# Allegro board 1281021_HW-FMC-XM500_Rev1_0.brd (continued)
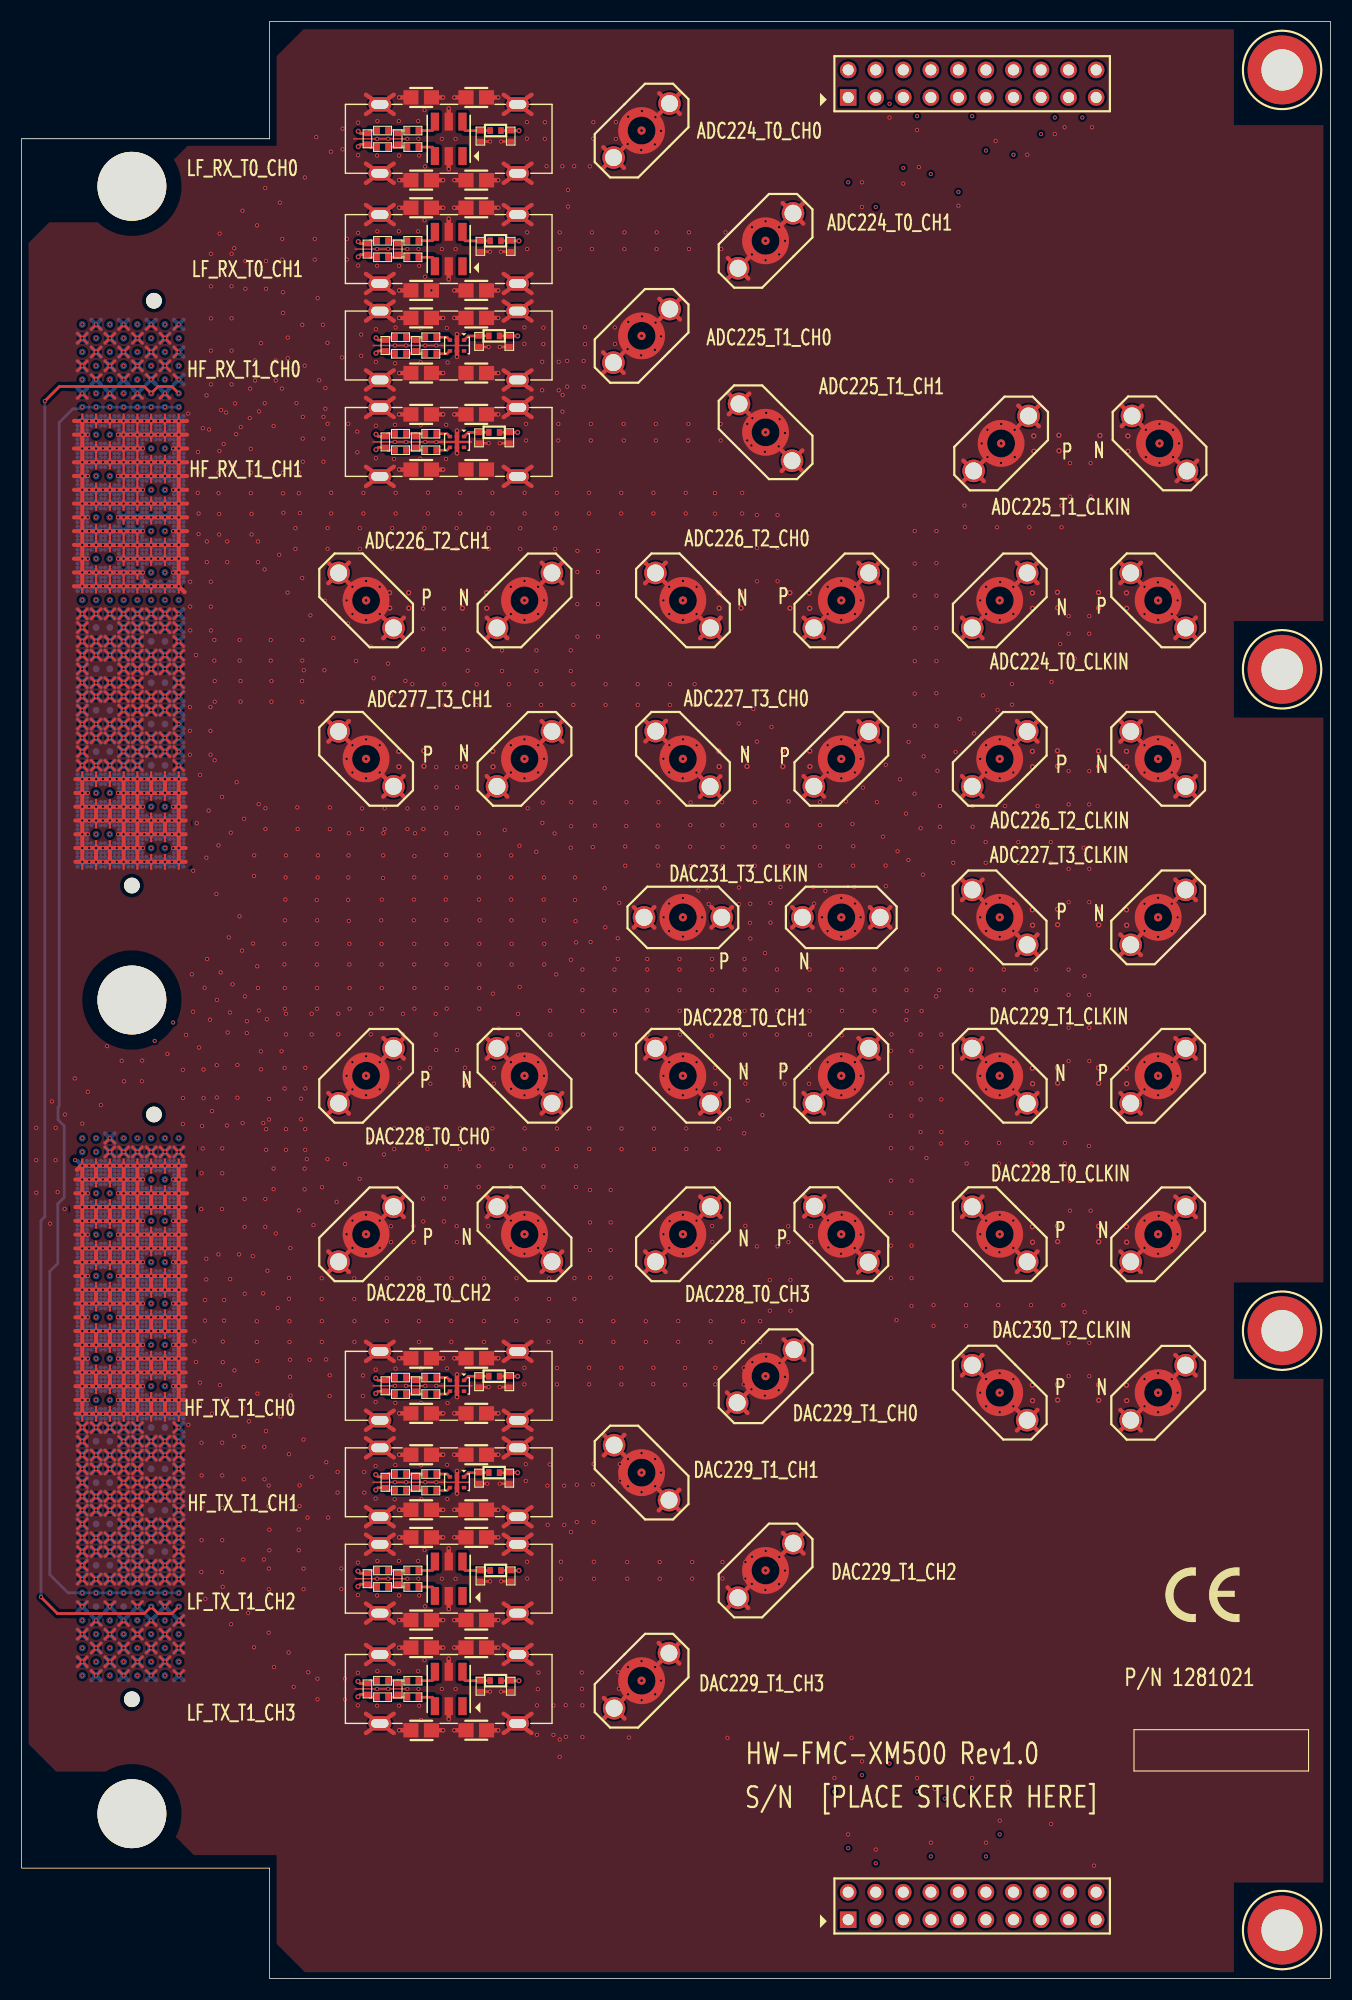
[diagram p0: board, top side]
## Routing (per net, layer and track width the routed paths; a pad name or vN(x,y) marks a point on that pad's centre or on a via; arc(x,y) is an arc through that point) (continued)
  vias: v2(1.35,78.39) v2(1.35,75.41) v2(1.35,72.41) v2(2.62,69.55) v2(2.78,80.82) v2(3.14,78.39) v2(3.12,75.41) v2(3.32,72.46) v2(3.98,79.62) v2(3.96,70.91) v2(4.89,82.94) v2(4.93,75.42) v2(5.59,78.78) v2(6.1,81.71) v2(7.3,80.49) v2(7.87,85.92) v2(9.22,84.57) v2(9.43,82.68) v2(11.11,84.58) v2(11.08,82.68) v2(12.26,86.4) v2(13.43,85.2) v2(13.96,88.1) v2(14.86,83.73) v2(14.86,81.14) v2(14.86,78.75) v2(15.16,86.96) v2(15.36,144.22) v2(15.37,51.02) v2(15.5,117.17) v2(15.5,114.98) v2(15.5,112.78) v2(15.53,128.72) v2(15.53,126.43) v2(15.54,124.23) v2(15.68,92.54) v2(15.81,102.08) v2(15.79,89.09) v2(15.93,58.72) v2(16.07,121.96) v2(16.08,56.81) v2(16.13,106.46) v2(16.26,140.67) v2(16.23,138.8) v2(16.23,136.92) v2(16.31,135.01) v2(16.31,133.11) v2(16.35,85.79) v2(16.44,110.92) v2(16.43,54.91) v2(16.43,52.95) v2(16.58,74.2) v2(16.56,70.9) v2(16.58,49.37) v2(16.59,46.35) v2(16.59,43.36) v2(16.58,40.38) v2(16.56,37.44) v2(16.7,142.87) v2(16.64,78.56) v2(16.69,76.49) v2(16.77,83.76) v2(16.76,81.13) v2(16.86,91.3) v2(16.9,62.52) v2(16.9,60.62) v2(16.93,34.98) v2(17.04,145.9) v2(17.07,132.43) v2(17.07,130.53) v2(17.03,103.29) v2(17.1,93.95) v2(17.02,66.32) v2(17.02,64.41) v2(17.27,142.75) v2(17.23,107.63) v2(17.41,117.17) v2(17.4,114.98) v2(17.41,112.78) v2(17.37,88.35) v2(17.45,158.95) v2(17.45,155.95) v2(17.45,153) v2(17.45,150.02) v2(17.45,146.92) v2(17.44,128.72) v2(17.44,126.43) v2(17.45,124.23) v2(17.55,79.93) v2(17.55,52.05) v2(17.76,123.35) v2(17.76,121.45) v2(17.8,119.57) v2(17.8,117.66) v2(17.79,112.27) v2(17.95,99.94) v2(18,90.18) v2(17.98,84.17) v2(17.98,81.19) v2(18.15,138.78) v2(18.15,136.88) v2(18.2,134.98) v2(18.2,133.07) v2(18.14,104.42) v2(18.14,66.72) v2(18.25,160.81) v2(18.23,140.77) v2(18.27,54.68) v2(18.39,144.55) v2(18.34,92.71) v2(18.47,108.89) v2(18.49,76.49) v2(18.49,74.2) v2(18.46,70.9) v2(18.49,49.37) v2(18.49,46.35) v2(18.49,43.36) v2(18.49,40.38) v2(18.46,37.44) v2(18.54,58.69) v2(18.54,56.78) v2(18.53,36.09) v2(18.62,141.41) v2(18.66,62.52) v2(18.66,60.62) v2(18.85,144.32) v2(18.9,53.39) v2(18.95,132.43) v2(18.95,130.53) v2(18.99,87.18) v2(18.93,78.6) v2(19.09,95.94) v2(19.2,89.02) v2(19.28,105.59) v2(19.22,64.44) v2(19.3,32.64) v2(19.35,158.95) v2(19.35,155.95) v2(19.35,153) v2(19.35,150.02) v2(19.35,146.92) v2(19.44,91.62) v2(19.59,159.46) v2(19.57,139.42) v2(19.6,49.98) v2(19.68,145.15) v2(19.62,56.03) v2(19.78,142.32) v2(19.82,110.24) v2(19.89,84.18) v2(19.89,81.17) v2(20.09,123.36) v2(20.09,121.46) v2(20.08,97.88) v2(20.04,66.72) v2(20.2,142.97) v2(20.17,119.57) v2(20.17,117.67) v2(20.35,162.92) v2(20.31,94.72) v2(20.37,78.83) v2(20.39,52.55) v2(20.5,106.87) v2(20.46,48.98) v2(20.48,45.99) v2(20.43,38.6) v2(20.58,90.5) v2(20.55,71.83) v2(20.55,69.26) v2(20.57,63.1) v2(20.62,158.28) v2(20.62,155.72) v2(20.77,88.21) v2(20.75,87.12) v2(20.88,33.68) v2(20.95,51.33) v2(21.06,146.52) v2(21.03,143.81) v2(21.12,140.97) v2(21.13,138.79) v2(21.13,136.88) v2(21.19,134.98) v2(21.19,133.08) v2(21.31,66.56) v2(21.33,95.38) v2(21.5,149.12) v2(21.43,103.5) v2(21.42,101.6) v2(21.42,30.51) v2(21.52,147.27) v2(21.7,161.57) v2(21.68,60.56) v2(21.68,58.65) v2(21.79,132.43) v2(21.79,130.53) v2(21.72,93.28) v2(21.78,91.27) v2(21.72,56.89) v2(21.73,53.89) v2(21.88,144.42) v2(21.85,108.22) v2(21.86,89.2) v2(22.06,150.71) v2(22.05,85.44) v2(22.06,83.78) v2(22.27,78.83) v2(22.26,63.13) v2(22.41,145.17) v2(22.39,129.86) v2(22.37,48.98) v2(22.38,45.99) v2(22.33,38.6) v2(22.45,165.01) v2(22.47,107.84) v2(22.47,105.93) v2(22.46,71.83) v2(22.46,69.26) v2(22.52,158.28) v2(22.53,155.72) v2(22.6,88.4) v2(22.54,78.27) v2(22.54,76.36) v2(22.52,50.43) v2(22.66,65.21) v2(22.8,81.06) v2(22.8,79.16) v2(22.77,45.42) v2(22.77,43.51) v2(22.78,37.76) v2(22.78,35.86) v2(22.77,31.86) v2(22.83,41.35) v2(22.83,39.45) v2(22.96,123.35) v2(22.96,121.45) v2(23.02,119.57) v2(23.02,117.66) v2(23.23,143.07) v2(23.22,74.64) v2(23.22,72.73) v2(23.26,28.68) v2(23.41,149.12) v2(23.42,147.27) v2(23.42,68.65) v2(23.61,61.78) v2(23.8,163.66) v2(23.74,131.2) v2(23.86,51.78) v2(23.98,146.52) v2(23.96,85.44) v2(24.03,160.32) v2(24.03,158.42) v2(24.09,155.4) v2(24.09,153.5) v2(24.09,138.78) v2(24.09,136.87) v2(24.13,135.08) v2(24.27,97.52) v2(24.22,95.35) v2(24.22,93.44) v2(24.26,91.27) v2(24.26,89.37) v2(24.24,83.92) v2(24.24,82.01) v2(24.37,103.5) v2(24.33,101.46) v2(24.31,99.42) v2(24.37,88.9) v2(24.37,87) v2(24.36,78.27) v2(24.36,76.36) v2(24.53,151.22) v2(24.53,149.32) v2(24.51,127.72) v2(24.61,30.03) v2(24.65,64.54) v2(24.65,62.63) v2(24.69,60.56) v2(24.69,58.65) v2(24.64,48.31) v2(24.76,167.33) v2(24.77,67.31) v2(24.74,57.01) v2(24.74,55.44) v2(24.79,53.71) v2(25.08,26.86) v2(25.24,133.66) v2(25.24,131.75) v2(25.33,145.18) v2(25.41,107.92) v2(25.44,105.93) v2(25.55,138.78) v2(25.55,136.88) v2(25.55,70.77) v2(25.54,41.36) v2(25.54,39.45) v2(25.65,135.05) v2(25.62,45.43) v2(25.62,43.53) v2(25.76,81.07) v2(25.76,79.17) v2(25.87,152.41) v2(25.91,141.91) v2(25.86,129.07) v2(25.87,123.36) v2(25.87,121.46) v2(25.86,119.57) v2(25.86,117.67) v2(25.92,143.92) v2(25.92,139.79) v2(26.01,120.56) v2(25.99,49.65) v2(25.99,37.76) v2(25.99,35.86) v2(26.1,165.98) v2(26.09,148.64) v2(26.08,74.62) v2(26.08,72.72) v2(26.15,83.92) v2(26.15,82.02) v2(26.14,78.27) v2(26.14,76.36) v2(26.29,75.5) v2(26.35,42.46) v2(26.42,28.21) v2(26.54,57.01) v2(26.62,125.63) v2(26.74,88.9) v2(26.74,87) v2(26.73,46.22) v2(26.9,69.42) v2(27.02,160.32) v2(27.02,158.42) v2(27.15,169.71) v2(27.2,99.39) v2(27.29,154.86) v2(27.31,103.5) v2(27.29,101.46) v2(27.24,97.52) v2(27.21,95.35) v2(27.21,93.44) v2(27.23,91.27) v2(27.23,89.37) v2(27.27,27.62) v2(27.27,25.71) v2(27.44,147.29) v2(27.69,72.91) v2(27.66,64.52) v2(27.66,62.62) v2(27.67,60.57) v2(27.67,58.66) v2(27.77,152.41) v2(27.82,143.92) v2(27.81,141.91) v2(27.82,139.79) v2(28,146.57) v2(28,144.67) v2(27.97,126.97) v2(27.91,120.56) v2(28.07,57.04) v2(28.08,47.57) v2(28.19,150.74) v2(28.21,143.28) v2(28.21,133.66) v2(28.21,131.76) v2(28.19,75.5) v2(28.26,42.46) v2(28.41,107.92) v2(28.41,105.92) v2(28.39,55.58) v2(28.39,53.68) v2(28.5,168.36) v2(28.54,136.92) v2(28.54,135.02) v2(28.73,123.53) v2(29.04,71.57) v2(29.19,88.91) v2(29.19,87) v2(29.12,46.68) v2(29.12,44.77) v2(29.47,37.78) v2(29.47,35.87) v2(29.58,170.48) v2(29.58,168.58) v2(29.54,149.39) v2(29.8,27.62) v2(29.8,25.71) v2(29.81,75.04) v2(29.98,160.32) v2(29.98,158.42) v2(29.95,127) v2(29.95,112.4) v2(29.95,83.19) v2(29.95,68.58) v2(30.08,124.88) v2(30.1,99.4) v2(30.11,143.28) v2(30.16,105.54) v2(30.13,103.5) v2(30.11,101.46) v2(30.16,97.46) v2(30.21,95.35) v2(30.21,93.44) v2(30.23,91.27) v2(30.23,89.37) v2(30.49,128.26) v2(30.49,125.74) v2(30.49,113.65) v2(30.49,111.14) v2(30.49,84.44) v2(30.49,81.93) v2(30.49,69.84) v2(30.49,67.32) v2(30.66,64.52) v2(30.66,62.61) v2(30.68,60.57) v2(30.68,58.66) v2(30.84,121.42) v2(30.94,142.56) v2(30.94,140.65) v2(30.99,38.32) v2(30.99,35.32) v2(30.99,28.16) v2(30.99,25.16) v2(31.02,171.03) v2(31.02,168.03) v2(31.02,160.87) v2(31.02,157.87) v2(31.17,133.66) v2(31.17,131.76) v2(31.16,73.7) v2(31.3,151.5) v2(31.3,149.55) v2(31.37,107.83) v2(31.37,105.93) v2(31.51,136.92) v2(31.51,135.01) v2(31.46,55.57) v2(31.46,53.66) v2(31.59,46.67) v2(31.59,44.76) v2(31.75,128.8) v2(31.75,125.2) v2(31.75,114.19) v2(31.75,110.6) v2(31.75,84.98) v2(31.75,81.39) v2(31.75,70.38) v2(31.75,66.78) v2(32.05,77.28) v2(32.18,122.76) v2(32.19,88.91) v2(32.19,87) v2(32.44,119.83) v2(32.66,151.99) v2(32.66,149) v2(32.66,143.1) v2(32.66,140.11) v2(32.63,56.11) v2(32.63,53.11) v2(32.63,47.22) v2(32.63,44.22) v2(32.79,171.18) v2(32.77,168.01) v2(32.79,161.02) v2(32.77,157.85) v2(32.79,38.47) v2(32.77,35.29) v2(32.79,28.31) v2(32.77,25.13) v2(33.01,128.26) v2(33.01,125.74) v2(33.01,113.65) v2(33.01,111.14) v2(33.01,84.44) v2(33.01,81.93) v2(33.01,69.84) v2(33.01,67.32) v2(33.2,99.42) v2(33.15,97.52) v2(33.17,95.35) v2(33.17,93.44) v2(33.2,91.27) v2(33.2,89.37) v2(33.31,101.41) v2(33.34,105.54) v2(33.33,103.5) v2(33.39,75.93) v2(33.46,107.83) v2(33.46,105.93) v2(33.66,64.53) v2(33.66,62.63) v2(33.66,60.57) v2(33.79,121.17) v2(34.03,118.24) v2(34.04,69.32) v2(34.06,67.86) v2(34.15,133.66) v2(34.15,131.76) v2(34.32,140.04) v2(34.34,78.34) v2(34.34,76.43) v2(34.39,44.15) v2(34.47,152.16) v2(34.42,148.85) v2(34.42,143.19) v2(34.48,136.92) v2(34.48,135.01) v2(34.47,56.19) v2(34.44,53.04) v2(34.44,47.3) v2(34.77,171.18) v2(34.8,168.01) v2(34.77,161.02) v2(34.8,157.85) v2(34.77,38.47) v2(34.8,35.29) v2(34.77,28.31) v2(34.8,25.13) v2(34.84,83.91) v2(34.86,82.45) v2(35.15,88.9) v2(35.15,87) v2(35.38,119.58) v2(35.56,169.55) v2(35.56,107.84) v2(35.56,105.93) v2(35.56,36.83) v2(35.56,26.67) v2(36.01,119.28) v2(36.01,117.38) v2(36.21,103.43) v2(36.19,101.46) v2(36.15,99.42) v2(36.16,97.52) v2(36.19,95.35) v2(36.19,93.44) v2(36.21,91.27) v2(36.21,89.37) v2(36.12,69.33) v2(36.14,67.86) v2(36.26,105.54) v2(36.55,171.18) v2(36.58,169.55) v2(36.55,161.02) v2(36.58,159.39) v2(36.55,38.47) v2(36.58,36.83) v2(36.55,28.31) v2(36.58,26.67) v2(36.65,168.01) v2(36.65,157.85) v2(36.64,64.52) v2(36.64,62.61) v2(36.62,60.57) v2(36.62,58.66) v2(36.65,35.29) v2(36.65,25.13) v2(36.8,152.1) v2(36.78,148.96) v2(36.8,143.19) v2(36.75,140.07) v2(36.83,56.22) v2(36.83,53.04) v2(36.83,47.3) v2(36.86,44.15) v2(36.83,23.81) v2(37.02,126.25) v2(37.02,124.39) v2(37.01,122.5) v2(37.04,107.83) v2(37.04,105.93) v2(37.01,71.86) v2(37.02,69.76) v2(37.13,172.2) v2(37.19,166.99) v2(37.13,162.04) v2(37.19,156.83) v2(37.12,133.65) v2(37.12,131.75) v2(37.13,39.48) v2(37.19,34.27) v2(37.13,29.32) v2(37.46,136.93) v2(37.46,135.02) v2(37.41,78.34) v2(37.41,76.43) v2(37.66,83.92) v2(37.68,82.46) v2(37.78,155.58) v2(38.17,88.89) v2(38.17,86.99) v2(38.22,111.63) v2(38.23,109.78) v2(38.22,107.89) v2(38.22,85.56) v2(38.73,169.55) v2(38.73,159.39) v2(38.73,36.83) v2(38.73,26.67) v2(38.92,126.25) v2(38.92,124.39) v2(38.92,122.5) v2(38.98,119.27) v2(38.98,117.37) v2(38.92,71.86) v2(38.93,69.76) v2(39.11,101.46) v2(39.09,99.42) v2(39.19,152.1) v2(39.14,143.19) v2(39.12,140.04) v2(39.14,105.54) v2(39.13,103.54) v2(39.15,97.52) v2(39.16,95.35) v2(39.16,93.44) v2(39.18,91.27) v2(39.18,89.37) v2(39.12,74.85) v2(39.12,72.95) v2(39.27,148.93) v2(39.22,56.22) v2(39.27,53.02) v2(39.22,47.33) v2(39.24,44.18) v2(39.61,60.57) v2(39.61,58.67) v2(39.63,64.54) v2(39.63,62.63) v2(40,169.55) v2(40,159.39) v2(40,36.83) v2(40,26.67) v2(40.09,133.66) v2(40.09,131.75) v2(40.1,69.32) v2(40.12,111.63) v2(40.13,109.78) v2(40.13,107.89) v2(40.12,85.56) v2(40.12,67.86) v2(40.4,78.34) v2(40.4,76.43) v2(40.43,136.92) v2(40.43,135.02) v2(40.86,83.93) v2(40.88,82.46) v2(41.11,122.42) v2(41.11,120.52) v2(41.95,119.27) v2(41.95,117.36) v2(42.15,105.54) v2(42.16,103.5) v2(42.14,101.46) v2(42.16,99.42) v2(42.2,95.35) v2(42.2,93.44) v2(42.19,91.27) v2(42.19,89.37) v2(42.13,74.85) v2(42.13,72.95) v2(42.22,97.52) v2(42.61,60.57) v2(42.61,58.66) v2(42.63,64.53) v2(42.63,62.63) v2(43.06,133.66) v2(43.06,131.75) v2(43.01,69.32) v2(43.03,67.86) v2(43.4,136.92) v2(43.4,135.01) v2(43.4,78.34) v2(43.4,76.43) v2(43.44,90.75) v2(43.52,83.92) v2(43.54,82.46) v2(43.96,87.54) v2(44.28,122.39) v2(44.28,120.49) v2(44.53,105.84) v2(44.92,119.27) v2(44.92,117.37) v2(45.1,128.26) v2(45.1,125.74) v2(45.1,113.65) v2(45.1,111.14) v2(45.1,84.44) v2(45.11,74.84) v2(45.11,72.94) v2(45.1,69.84) v2(45.1,67.32) v2(45.13,103.5) v2(45.13,101.46) v2(45.13,99.42) v2(45.16,97.52) v2(45.17,95.35) v2(45.17,93.44) v2(45.12,81.99) v2(45.59,60.57) v2(45.62,64.53) v2(45.62,62.63) v2(45.76,88.89) v2(45.75,86.99) v2(45.9,104.39) v2(45.96,133.65) v2(45.96,131.75) v2(45.92,91.38) v2(46.35,152.16) v2(46.35,150.65) v2(46.36,136.92) v2(46.36,135.01) v2(46.36,128.8) v2(46.36,125.2) v2(46.36,114.19) v2(46.36,110.6) v2(46.36,84.98) v2(46.36,81.39) v2(46.37,78.34) v2(46.37,76.43) v2(46.36,70.38) v2(46.36,66.78) v2(46.35,56.27) v2(46.35,54.74) v2(46.5,143.27) v2(46.5,141.74) v2(46.48,47.38) v2(46.47,45.84) v2(46.58,171.08) v2(46.58,169.56) v2(46.6,160.92) v2(46.61,159.38) v2(46.6,38.39) v2(46.65,107.84) v2(46.61,36.84) v2(47.46,122.39) v2(47.46,120.49) v2(47.45,103.84) v2(47.51,25.16) v2(47.49,22.44) v2(47.59,26.65) v2(47.61,128.26) v2(47.61,125.74) v2(47.61,113.65) v2(47.61,111.14) v2(47.61,84.44) v2(47.61,81.93) v2(47.61,69.84) v2(47.61,67.32) v2(47.65,28.18) v2(47.89,119.27) v2(47.89,117.37) v2(47.99,149) v2(47.98,146.37) v2(48,106.5) v2(48.1,152.13) v2(48.1,150.63) v2(48.03,108.37) v2(48.11,74.85) v2(48.11,72.95) v2(48.15,127) v2(48.15,112.4) v2(48.16,101.46) v2(48.12,99.42) v2(48.15,97.52) v2(48.18,95.35) v2(48.18,93.44) v2(48.15,83.19) v2(48.15,68.58) v2(48.24,171.07) v2(48.23,169.54) v2(48.4,167.02) v2(48.47,45.41) v2(48.5,41.79) v2(48.57,60.57) v2(48.57,58.67) v2(48.63,64.52) v2(48.63,62.61) v2(48.69,47.36) v2(48.72,89.19) v2(48.75,86.99) v2(49.02,25.15) v2(49.02,22.44) v2(49.19,133.65) v2(49.19,131.75) v2(49.13,105.52) v2(49.29,92.53) v2(49.34,136.92) v2(49.34,135.01) v2(49.35,78.33) v2(49.35,76.42) v2(49.35,56.25) v2(49.35,54.74) v2(49.47,143.27) v2(49.48,141.74) v2(49.6,160.92) v2(49.61,159.4) v2(49.51,148.99) v2(49.51,146.37) v2(49.6,22.01) v2(49.6,20.41) v2(49.7,38.39) v2(49.71,36.83) v2(49.85,167.02) v2(49.87,145.95) v2(49.86,144.41) v2(50.02,45.4) v2(50.02,41.79) v2(50.16,25.17) v2(50.17,22.26) v2(50.29,149.08) v2(50.29,146.7) v2(50.36,164.83) v2(50.37,163.3) v2(50.62,122.4) v2(50.62,120.49) v2(50.67,108.4) v2(50.66,106.19) v2(50.62,104.2) v2(50.63,93.88) v2(50.64,41.14) v2(50.86,119.27) v2(50.86,117.36) v2(50.94,167.02) v2(51,101.46) v2(50.96,64.53) v2(50.96,62.63) v2(51.01,99.38) v2(51.07,97.44) v2(51.1,74.84) v2(51.1,72.94) v2(51.12,95.48) v2(51.18,45.49) v2(51.18,42.05) v2(51.23,131.57) v2(51.23,129.63) v2(51.23,126.65) v2(51.23,123.66) v2(51.57,60.57) v2(51.57,58.66) v2(51.7,92.98) v2(51.7,91.08) v2(51.7,89.17) v2(51.63,28.18) v2(51.65,26.68) v2(51.69,25.16) v2(51.7,22.23) v2(51.81,149.08) v2(51.75,86.99) v2(51.82,146.7) v2(51.94,152.18) v2(51.94,150.63) v2(52.3,136.92) v2(52.3,135.02) v2(52.38,167.01) v2(52.33,78.34) v2(52.33,76.43) v2(52.4,72.66) v2(52.4,69.67) v2(52.4,67.12) v2(52.39,64.58) v2(52.32,56.27) v2(52.31,54.74) v2(52.47,143.27) v2(52.47,141.74) v2(52.46,95.52) v2(52.57,160.92) v2(52.57,159.38) v2(52.7,171.07) v2(52.7,169.56) v2(52.65,104.27) v2(52.68,45.52) v2(52.73,47.38) v2(52.73,42.04) v2(52.75,38.39) v2(52.76,36.82) v2(52.86,108.37) v2(52.86,106.24) v2(53.14,131.57) v2(53.13,129.63) v2(53.13,126.65) v2(53.14,123.66) v2(53.74,100.47) v2(53.8,96.87) v2(53.83,119.27) v2(53.83,117.37) v2(54.3,72.66) v2(54.3,69.67) v2(54.3,67.12) v2(54.3,64.58) v2(54.55,60.56) v2(54.55,58.65) v2(54.68,152.16) v2(54.69,150.64) v2(54.65,92.98) v2(54.65,91.08) v2(54.69,89.17) v2(54.71,86.99) v2(54.78,171.08) v2(54.78,169.54) v2(54.96,95.86) v2(54.96,93.95) v2(55.09,99.13) v2(55.01,28.21) v2(55.05,26.69) v2(55.14,47.38) v2(55.16,45.86) v2(55.28,136.92) v2(55.28,135.01) v2(55.3,78.32) v2(55.3,76.42) v2(55.29,56.27) v2(55.29,54.74) v2(55.49,143.27) v2(55.57,160.92) v2(55.57,159.38) v2(55.51,141.75) v2(55.64,104.32) v2(55.65,102.55) v2(55.76,108.4) v2(55.74,106.2) v2(55.87,169.07) v2(55.86,150.16) v2(55.89,47.87) v2(55.89,45.35) v2(55.82,38.37) v2(55.83,36.84) v2(55.89,28.69) v2(55.9,26.17) v2(55.91,171.59) v2(55.92,152.67) v2(55.98,22.19) v2(56.8,119.27) v2(56.8,117.37) v2(57.1,149.59) v2(57.18,172.1) v2(57.12,168.51) v2(57.2,153.18) v2(57.15,48.41) v2(57.15,44.81) v2(57.15,29.23) v2(57.15,25.64) v2(57.54,60.56) v2(57.54,58.65) v2(57.68,93.95) v2(57.68,92.98) v2(57.68,91.08) v2(57.68,89.22) v2(57.7,86.99) v2(58.25,136.92) v2(58.25,135.01) v2(58.3,78.33) v2(58.3,76.42) v2(58.24,56.27) v2(58.23,54.76) v2(58.39,169.03) v2(58.38,150.1) v2(58.41,47.87) v2(58.41,45.35) v2(58.4,28.69) v2(58.41,26.18) v2(58.43,171.54) v2(58.44,152.61) v2(58.47,143.27) v2(58.48,141.74) v2(58.54,160.92) v2(58.53,159.38) v2(58.68,106.25) v2(58.62,104.3) v2(58.69,102.56) v2(58.71,108.4) v2(58.82,38.37) v2(58.83,36.83) v2(58.95,170.28) v2(58.95,151.34) v2(58.95,46.61) v2(58.95,27.44) v2(59.16,127) v2(59.16,112.41) v2(59.18,97.79) v2(59.16,83.19) v2(59.16,68.58) v2(59.7,128.26) v2(59.7,125.74) v2(59.69,111.15) v2(59.69,99.06) v2(59.69,96.52) v2(59.7,84.44) v2(59.7,81.93) v2(59.7,67.32) v2(59.76,119.27) v2(59.76,117.37) v2(59.71,113.66) v2(59.74,69.79) v2(60.53,60.57) v2(60.53,58.67) v2(60.65,93.95) v2(60.65,92.98) v2(60.65,91.08) v2(60.67,89.17) v2(60.69,86.99) v2(60.96,128.8) v2(60.96,125.2) v2(60.98,114.19) v2(60.94,110.6) v2(60.96,99.57) v2(60.96,96.01) v2(60.96,84.98) v2(60.96,81.39) v2(60.96,70.38) v2(60.96,66.78) v2(61.16,56.25) v2(61.16,54.71) v2(61.22,136.92) v2(61.22,135.01) v2(61.27,78.33) v2(61.27,76.43) v2(61.46,143.27) v2(61.45,141.74) v2(61.51,160.92) v2(61.52,159.39) v2(61.67,108.38) v2(61.64,106.29) v2(61.63,104.3) v2(61.67,102.52) v2(61.82,38.37) v2(61.82,36.84) v2(62.04,119.28) v2(62.04,117.37) v2(62.21,111.13) v2(62.22,128.26) v2(62.22,125.74) v2(62.23,113.64) v2(62.23,96.52) v2(62.22,84.44) v2(62.22,81.93) v2(62.22,69.84) v2(62.22,67.32) v2(62.39,100.26) v2(62.74,97.79) v2(63.16,100.53) v2(63.34,99.01) v2(63.52,60.56) v2(63.52,58.65) v2(63.65,93.95) v2(63.66,92.98) v2(63.66,91.08) v2(63.65,89.17) v2(63.61,86.89) v2(63.65,69.34) v2(63.67,67.88) v2(63.92,136.9) v2(63.92,135) v2(63.94,83.92) v2(63.96,82.46) v2(63.95,56.27) v2(63.95,54.74) v2(64.26,78.34) v2(64.26,76.43) v2(64.5,159.39) v2(64.43,143.27) v2(64.45,141.75) v2(64.46,117.31) v2(64.58,108.4) v2(64.61,106.28) v2(64.62,104.27) v2(64.62,102.55) v2(64.61,38.37) v2(64.61,36.85) v2(64.89,160.92) v2(65.07,22.17) v2(65.26,79.23) v2(65.8,118.66) v2(66.11,115.65) v2(66.13,100.53) v2(66.13,99.01) v2(66.42,136.92) v2(66.42,135.01) v2(66.52,60.55) v2(66.52,58.65) v2(66.57,56.27) v2(66.56,54.74) v2(66.64,93.95) v2(66.65,92.98) v2(66.65,91.08) v2(66.65,89.17) v2(66.68,86.99) v2(66.7,83.93) v2(66.61,77.88) v2(66.72,82.46) v2(66.72,69.36) v2(66.74,67.89) v2(66.72,38.37) v2(66.73,36.84) v2(66.9,143.27) v2(66.89,141.75) v2(66.94,80.9) v2(67.17,99.04) v2(67.13,97.28) v2(67.18,95.84) v2(67.28,141.28) v2(67.28,54.28) v2(67.32,161.4) v2(67.32,158.89) v2(67.37,143.79) v2(67.37,56.8) v2(67.33,38.86) v2(67.31,36.34) v2(67.46,117) v2(67.6,108.4) v2(67.59,106.27) v2(67.58,104.28) v2(67.58,102.55) v2(67.78,134.87) v2(67.78,131.83) v2(67.78,128.76) v2(67.78,113.99) v2(67.78,67.46) v2(68.08,60.57) v2(68.08,58.66) v2(68.29,79.56) v2(68.58,161.94) v2(68.58,158.35) v2(68.52,140.7) v2(68.53,94.49) v2(68.52,53.7) v2(68.59,39.39) v2(68.57,35.8) v2(68.64,144.29) v2(68.64,57.29) v2(68.97,64.36) v2(68.98,61.53) v2(69.02,99.12) v2(69.04,97.3) v2(69.13,115.33) v2(69.68,134.87) v2(69.69,131.83) v2(69.69,128.76) v2(69.63,92.98) v2(69.63,91.08) v2(69.64,89.17) v2(69.62,86.99) v2(69.68,67.46) v2(69.79,141.19) v2(69.79,54.2) v2(69.84,161.4) v2(69.84,158.89) v2(69.88,143.71) v2(69.88,56.71) v2(69.85,38.84) v2(69.83,36.32) v2(69.96,100.58) v2(70.38,160.15) v2(70.37,142.43) v2(70.31,83.93) v2(70.33,82.46) v2(70.38,55.44) v2(70.38,37.58) v2(70.57,106.27) v2(70.6,102.53) v2(70.7,108.47) v2(70.63,104.33) v2(70.66,69.32) v2(70.68,67.85) v2(70.88,64.36) v2(70.88,61.53) v2(72.57,83.91) v2(72.59,82.45) v2(72.63,92.98) v2(72.63,91.08) v2(72.64,89.17) v2(72.68,86.99) v2(72.79,69.33) v2(72.81,67.86) v2(72.98,100.58) v2(73.06,99.06) v2(73.59,106.28) v2(73.59,104.27) v2(73.62,108.4) v2(73.62,102.57) v2(73.79,97.79) v2(74.1,100.23) v2(74.31,128.26) v2(74.31,125.74) v2(74.31,113.65) v2(74.31,111.14) v2(74.29,96.52) v2(74.31,84.44) v2(74.31,81.93) v2(74.33,69.86) v2(74.37,67.36) v2(74.93,18.47) v2(75.56,128.8) v2(75.56,125.2) v2(75.56,114.19) v2(75.56,110.6) v2(75.56,99.57) v2(75.57,96.01) v2(75.61,92.98) v2(75.61,91.08) v2(75.6,86.91) v2(75.56,84.98) v2(75.56,81.39) v2(75.6,70.38) v2(75.53,66.78) v2(75.62,89.17) v2(75.99,108.48) v2(76.2,13.27) v2(76.51,22.17) v2(76.59,106.4) v2(76.67,104.34) v2(76.66,102.55) v2(76.75,100.58) v2(76.8,67.3) v2(76.82,128.26) v2(76.82,125.74) v2(76.82,113.65) v2(76.82,111.14) v2(76.84,99.06) v2(76.84,96.52) v2(76.82,84.44) v2(76.82,81.93) v2(76.84,69.81) v2(77.36,127) v2(77.36,112.4) v2(77.34,97.79) v2(77.36,83.19) v2(77.36,68.55) v2(77.47,165.54) v2(77.47,163.25) v2(77.47,20) v2(77.56,109.74) v2(78.61,92.98) v2(78.61,91.08) v2(78.63,89.17) v2(78.74,11.87) v2(78.85,108.4) v2(78.95,86.99) v2(79.4,105.22) v2(79.67,111.85) v2(79.65,102.57) v2(79.67,100.66) v2(80.01,171.51) v2(80.01,21.06) v2(80.19,87) v2(80.14,85.48) v2(80.14,82.49) v2(80.14,79.5) v2(80.14,76.51) v2(80.14,73.52) v2(80.14,70.53) v2(80.14,67.53) v2(80.14,64.53) v2(80.65,60.66) v2(80.75,103.87) v2(80.99,110.51) v2(81.28,165.42) v2(81.53,107.35) v2(81.58,92.98) v2(81.58,91.08) v2(81.6,89.17) v2(81.56,88.34) v2(81.77,113.96) v2(81.75,103.07) v2(82.04,85.48) v2(82.04,82.49) v2(82.04,79.5) v2(82.04,76.51) v2(82.04,73.52) v2(82.04,70.53) v2(82.04,67.53) v2(82.04,64.53) v2(82.04,61.98) v2(82.34,133.4) v2(82.34,130.4) v2(82.34,127.44) v2(82.34,124.44) v2(82.34,121.4) v2(82.34,118.4) v2(82.34,115.44) v2(82.32,109.19) v2(82.55,170.36) v2(82.55,18.47) v2(82.72,166.94) v2(82.88,106) v2(82.88,86.99) v2(82.88,83.99) v2(82.88,81) v2(82.88,78.01) v2(82.96,89.16) v2(83.1,101.73) v2(83.15,112.63) v2(83.41,75.61) v2(83.82,12.5) v2(84.07,62.04) v2(84.07,60.14) v2(84.19,17.47) v2(84.34,133.4) v2(84.33,130.43) v2(84.34,127.44) v2(84.33,124.47) v2(84.34,121.4) v2(84.33,118.44) v2(84.34,115.44) v2(84.31,90.5) v2(84.43,111.3) v2(84.59,92.98) v2(84.59,91.08) v2(84.66,108.04) v2(84.66,106.14) v2(84.79,86.99) v2(84.79,83.99) v2(84.79,81) v2(84.79,78.01) v2(84.77,76.95) v2(85.88,104.72) v2(85.88,102.82) v2(86.1,113.03) v2(86.36,163.38) v2(86.47,116.08) v2(86.92,135.74) v2(86.96,133.75) v2(87.07,62.04) v2(87.07,60.14) v2(87.12,77) v2(87.12,75.1) v2(87.55,92.98) v2(87.55,91.08) v2(87.51,21.5) v2(87.67,108.04) v2(87.67,106.14) v2(87.63,18.47) v2(87.81,114.74) v2(88.37,127) v2(88.37,112.4) v2(88.37,97.79) v2(88.37,83.19) v2(88.37,68.58) v2(88.37,53.98) v2(88.5,141.47) v2(88.63,118.25) v2(88.88,104.72) v2(88.88,102.82) v2(88.9,12.5) v2(88.91,128.26) v2(88.91,125.74) v2(88.91,113.65) v2(88.91,111.14) v2(88.91,99.05) v2(88.91,96.53) v2(88.91,84.44) v2(88.91,81.93) v2(88.91,69.84) v2(88.91,67.32) v2(88.91,55.23) v2(88.91,52.72) v2(89.04,142.73) v2(89.04,140.21) v2(89.8,169.36) v2(89.92,135.74) v2(89.92,133.74) v2(89.97,116.9) v2(90.1,77) v2(90.1,75.1) v2(90.03,62.04) v2(90.03,60.14) v2(90.17,125.2) v2(90.17,114.19) v2(90.17,110.6) v2(90.17,99.59) v2(90.17,95.99) v2(90.17,84.98) v2(90.17,81.39) v2(90.17,70.38) v2(90.14,66.92) v2(90.17,55.77) v2(90.17,52.18) v2(90.17,14.54) v2(90.3,143.27) v2(90.3,139.67) v2(90.22,128.69) v2(90.54,92.98) v2(90.54,91.08) v2(90.65,108.04) v2(90.65,106.14) v2(90.96,18.06) v2(91.29,119.3) v2(91.29,117.39) v2(91.43,128.26) v2(91.43,125.74) v2(91.43,113.65) v2(91.43,111.14) v2(91.43,99.05) v2(91.43,96.53) v2(91.43,84.44) v2(91.43,81.93) v2(91.43,69.84) v2(91.43,67.32) v2(91.43,55.23) v2(91.43,52.72) v2(91.55,142.73) v2(91.55,140.21) v2(91.88,104.72) v2(91.88,102.82) v2(92.71,168.08) v2(92.87,135.74) v2(92.9,133.75) v2(93.11,77) v2(93.11,75.1) v2(93.06,62.04) v2(93.06,60.14) v2(93.6,120.84) v2(93.53,92.98) v2(93.53,91.08) v2(93.67,108.04) v2(93.67,106.14) v2(94.87,104.72) v2(94.87,102.82) v2(94.91,14.23) v2(94.95,119.49) v2(95.25,169.98) v2(95.75,122.99) v2(95.87,135.74) v2(95.87,133.74) v2(96.05,62.04) v2(96.03,60.14) v2(96.15,170.61) v2(96.19,77) v2(96.19,75.1) v2(96.52,125.55) v2(96.52,123.93) v2(96.52,111.27) v2(96.52,108.19) v2(96.52,102.26) v2(96.52,99.19) v2(96.51,92.97) v2(96.52,90.65) v2(96.52,87.61) v2(96.52,84.54) v2(96.52,58.57) v2(96.52,55.5) v2(96.65,139.65) v2(96.65,136.58) v2(96.64,73.49) v2(96.64,70.75) v2(97.09,121.64) v2(97.9,104.21) v2(97.98,92.38) v2(98.01,61.41) v2(98.39,76.72) v2(98.43,125.55) v2(98.42,123.93) v2(98.43,111.27) v2(98.43,108.19) v2(98.43,102.26) v2(98.43,99.19) v2(98.42,90.65) v2(98.43,87.61) v2(98.43,84.54) v2(98.43,58.57) v2(98.43,55.5) v2(98.55,139.65) v2(98.55,136.58) v2(98.55,73.49) v2(98.55,70.75) v2(98.69,170.61) v2(98.86,10.38) v2(103.52,128.26) v2(103.52,125.74) v2(103.52,113.65) v2(103.52,111.14) v2(103.52,99.05) v2(103.52,96.53) v2(103.52,84.44) v2(103.52,81.93) v2(103.52,69.84) v2(103.52,67.32) v2(103.52,55.23) v2(103.52,52.72) v2(103.64,142.73) v2(103.64,140.21) v2(104.75,128.67) v2(104.77,125.2) v2(104.77,114.19) v2(104.77,110.6) v2(104.77,99.59) v2(104.77,95.99) v2(104.77,84.98) v2(104.77,81.39) v2(104.78,66.78) v2(104.77,55.77) v2(104.77,52.18) v2(104.9,143.27) v2(104.9,139.67) v2(104.83,70.27) v2(106.03,128.26) v2(106.03,125.74) v2(106.03,113.65) v2(106.03,111.14) v2(106.03,99.05) v2(106.03,96.53) v2(106.03,84.44) v2(106.03,81.93) v2(106.03,69.84) v2(106.03,67.32) v2(106.03,55.23) v2(106.03,52.72) v2(106.16,142.73) v2(106.16,140.21) v2(106.57,127) v2(106.57,112.4) v2(106.57,97.79) v2(106.57,83.19) v2(106.57,68.58) v2(106.57,53.98) v2(106.7,141.47) v3(33.92,127.72) v3(33.93,126.29) v3(34.76,113.09) v3(34.78,111.66) v3(35.68,127.71) v3(35.69,126.28) v3(37.07,113.14) v3(37.09,111.72) v3(40.62,127.71) v3(40.64,126.28) v3(40.86,113.13) v3(40.88,111.7) v3(42.86,127.71) v3(42.88,126.28) v3(43.44,113.09) v3(43.45,111.66) v3(64.29,127.71) v3(64.31,126.28) v3(64.28,113.11) v3(64.3,111.68) v3(66.3,127.72) v3(66.32,126.29) v3(66.85,113.13) v3(66.87,111.7) v3(70.16,113.12) v3(70.18,111.69) v3(70.82,127.71) v3(70.84,126.28) v3(72.61,127.69) v3(72.65,126.27) v3(72.65,113.12) v3(72.67,111.69) v3(93.18,127.69) v3(93.2,126.27) v3(93.18,113.09) v3(93.2,111.66) v3(93.18,98.48) v3(93.2,97.06) v3(93.18,83.88) v3(93.2,82.45) v3(93.18,69.27) v3(93.2,67.85) v3(93.18,54.67) v3(93.2,53.24) v3(93.31,142.17) v3(93.32,140.74) v3(95.49,127.75) v3(95.51,126.32) v3(95.49,113.14) v3(95.51,111.72) v3(95.49,98.54) v3(95.51,97.11) v3(95.49,83.93) v3(95.51,82.51) v3(95.49,69.33) v3(95.51,67.9) v3(95.49,54.72) v3(95.51,53.3) v3(95.62,142.22) v3(95.63,140.79) v3(99.28,127.73) v3(99.3,126.3) v3(99.28,113.13) v3(99.3,111.7) v3(99.28,98.52) v3(99.3,97.09) v3(99.28,83.92) v3(99.3,82.49) v3(99.28,69.31) v3(99.3,67.88) v3(99.28,54.71) v3(99.3,53.28) v3(99.41,142.2) v3(99.42,140.77) v3(101.86,127.69) v3(101.87,126.27) v3(101.86,113.09) v3(101.87,111.66) v3(101.86,98.48) v3(101.87,97.06) v3(101.86,83.88) v3(101.87,82.45) v3(101.86,69.27) v3(101.87,67.85) v3(101.86,54.67) v3(101.87,53.24) v3(101.99,142.17) v3(102,140.74)
